# Allegro board KIT_PSE84_AI_PSOC_Edge_E84_AI_Board_Layout.brd
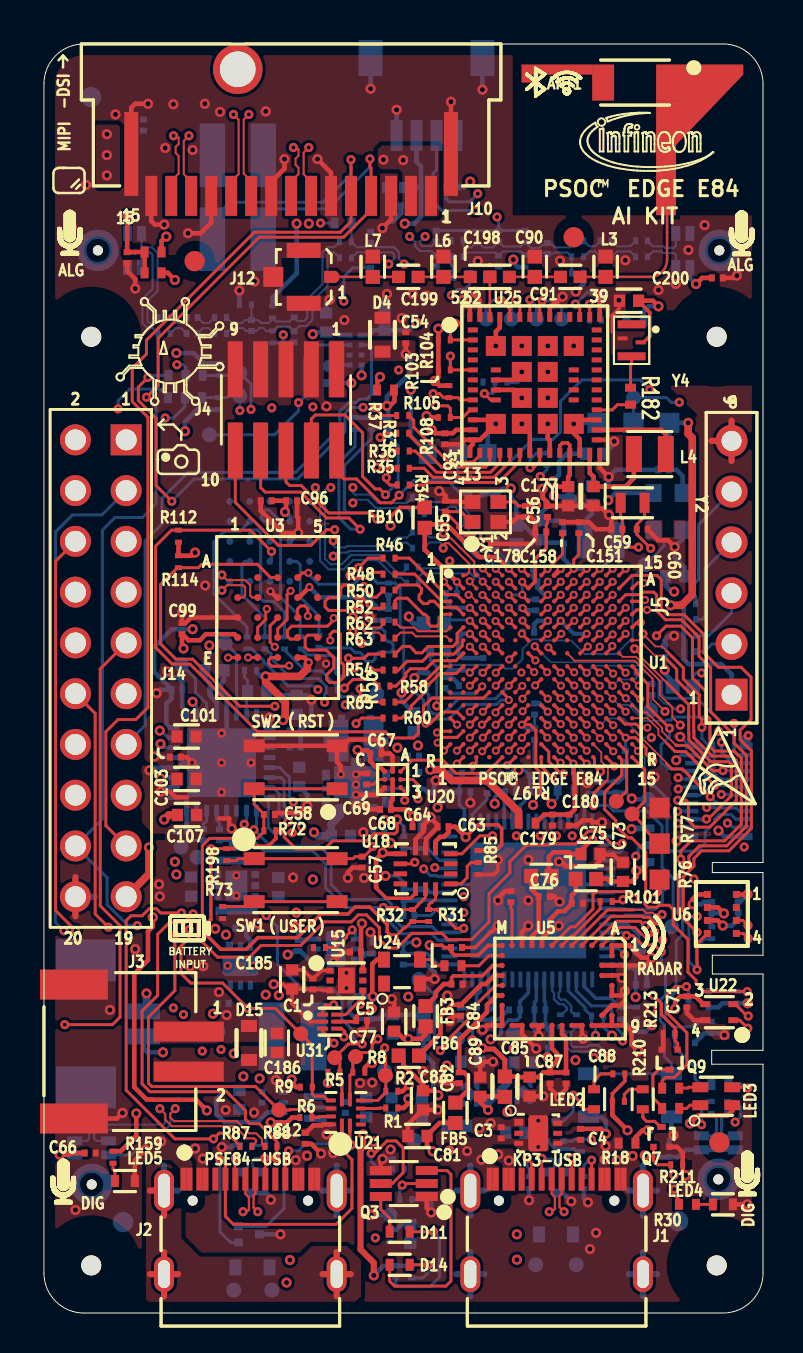
[diagram p0: board, top side]
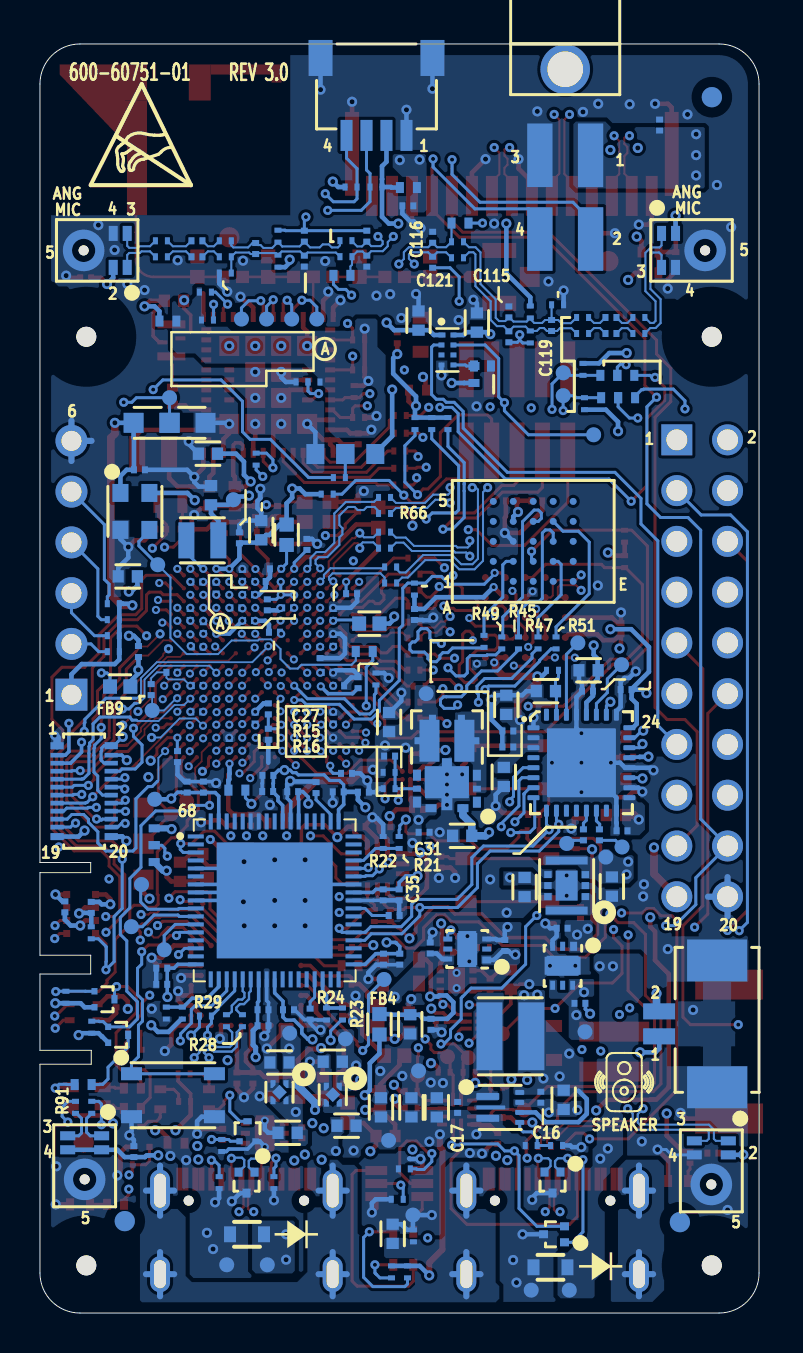
[diagram p1: board, bottom side, seen from below]

Outline 35.99 x 63.5 mm; copper layers: TOP, L02_GND, L03_SIG1, L04_SIG2, L05_PWR, BOTTOM. Coordinates in mm from the lower left corner of the outline.
Outline path: 0,61.5 arc(0.59,62.91) 2,63.5 33.99,63.5 arc(35.41,62.91) 35.99,61.5 35.99,22.54 33.45,22.54 33.45,22.03 35.99,22.03 35.99,17.9 33.45,17.9 33.45,16.96 35.99,16.96 35.99,13.14 33.43,13.14 33.43,12.45 35.99,12.45 35.99,2 arc(35.41,0.59) 33.99,0 2,0 arc(0.59,0.59) 0,2 0,61.5

## Design rules (mm)
constraint set DEFAULT: min track width 0.15
net group AMIC1_CTB_IN: nets AMIC1_CTB_INN AMIC1_CTB_INP
net group DP2: nets N17695662 N17695815
net group DP3: nets N17695725 N17695803
net group DP4: nets N17695749 N17695801
net group DP5: nets N17695747 N17695799
net group DP6: nets N17989965 N17989977
net group DP7: nets N17696044 N17696122
net group DP8: nets N17696068 N17696120
net group DP9: nets N17696066 N17696118
net group DP10: nets N17695981 N17696134
net group DP12: nets N17709188 N17709192
net group DP13: nets N17709220 N17709224
net group DP14: nets N17709256 N17709266
net group DSI_CLK: nets DSI_CLK_N DSI_CLK_P
net group DSI_DATA0: nets DSI_DATA0_N DSI_DATA0_P
net group DSI_DATA1: nets DSI_DATA1_N DSI_DATA1_P
net group KP_USB: nets N17581130 N17581131
net group P6_USB: nets PE84_USB_DM PE84_USB_DP
net group WL_SDIO_CMD: nets N17708163 WL_SDIO_CMD
net group WL_SDIO_DATA0: nets N17708293 WL_SDIO_DATA0
net group WL_SDIO_DATA1: nets N17708259 WL_SDIO_DATA1
net group WL_SDIO_DATA2: nets N17708201 WL_SDIO_DATA2
net group WL_SDIO_DATA3: nets N17708171 WL_SDIO_DATA3
net group I2S: nets I2S_TX_FSYNC I2S_TX_MCK I2S_TX_SCK I2S_TX_SD
net group POWER: nets AMIC_1V8 DISP_VDD_3V3 MCU_VDD_3V3 N17462113 N17691977 N17691999 N17694386 N17694402 N17699019 N17699478 N17701248 N17701356 N17701674 N17701786 N17713209 P5LP_VCCD P5LP_VDD PE84_VBUS PE84_VCCD PE84_VDDA USB_V_SENSE VBAT_IN VDD_5V VDDA_RADAR VDDD_RADAR VDDIO_RADIO VDDLF_RADAR VDDPLL_RADAR VDDRF_RADAR VDDVCO_RADAR VTARG_MEAS
net group RF: nets N17920449 N17920453 N17920674 N17920680 RF_OUT
net group SMIF0: nets N17708861 N17708893 N17708925 N17708957 N17709105
net group SMIF0_DATA: nets SMIF0_CLKP SMIF0_DATA0 SMIF0_DATA1 SMIF0_DATA2 SMIF0_DATA3
net group SMIF1: nets N17708863 N17708895 N17708927 N17708959 N17708991 N17709023 N17709055 N17709075 N17709107 N17709123 N17709155
net group SMIF1_DATA: nets SMIF1_CLKN SMIF1_CLKP SMIF1_DATA0 SMIF1_DATA1 SMIF1_DATA2 SMIF1_DATA3 SMIF1_DATA4 SMIF1_DATA5 SMIF1_DATA6 SMIF1_DATA7 SMIF1_RWDS

## Placement (name value [footprint] x y rotation side)
ANT1  2450AD18A6050  [ANTENNA_2450AD18A6050]  29.59 61.57 0 top
C1  0.1uF  [CAPC0603_0201N]  13.46 16.46 90 top
C3  0.1uF  [CAPC0603_0201N]  22.89 9.02 90 top
C4  0.1uF  [CAPC0603_0201N]  26.85 8.94 270 top
C5  0.1uF  [CAPC0603_0201N]  15.9 14.63 180 top
C6  0.1uF  [CAPC0603_0201N]  15.6 18.06 0 top
C7  0.1uF  [CAPC0603_0201N]  9.86 19.25 180 bottom
C8  0.1uF  [CAPC0603_0201N]  12.73 18.39 270 bottom
C9  0.1uF  [CAPC0603_0201N]  8.97 15.5 0 bottom
C11  0.1uF  [CAPC0603_0201N]  16.46 18.26 270 bottom
C12  0.1uF  [CAPC0603_0201N]  13.08 8.74 270 top
C13  10nF  [CAPC1005_0402N]  18.34 3.96 90 bottom
C14  22uF  [CAPC1005_0402N]  9.78 10.67 270 bottom
C16  0.1uF  [CAPC0603_0201N]  10.92 10.8 270 bottom
C17  0.1uF  [CAPC0603_0201N]  15.09 10.29 90 bottom
C21  10uF  [CAPC1005_0402N]  11.74 21.31 90 bottom
C27  330PF  [CAPC0603_0201N]  18.49 27.86 180 bottom
C28  22uF  [CAPC1005_0402N]  18.52 29.57 90 bottom
C30  10uF  [CAPC1005_0402N]  14.86 23.88 0 bottom
C31  1uF  [CAPC0603_0201N]  16.77 24.05 180 bottom
C35  1uF  [CAPC0603_0201N]  18.02 20.92 270 bottom
C36  0.1uF  [CAPC0603_0201N]  18.82 20.92 270 bottom
C37  1uF  [CAPC0603_0201N]  17.98 17.7 270 bottom
C38  0.1uF  [CAPC0603_0201N]  18.8 17.7 270 bottom
C39  1uF  [CAPC0603_0201N]  24.83 14.38 180 bottom
C40  0.1uF  [CAPC0603_0201N]  24.83 15.18 180 bottom
C41  1uF  [CAPC0603_0201N]  29.9 16.45 0 bottom
C42  0.1uF  [CAPC0603_0201N]  29.9 17.26 0 bottom
C43  1uF  [CAPC0603_0201N]  22.18 26.29 90 bottom
C44  1uF  [CAPC0603_0201N]  23.55 15.17 180 bottom
C45  0.1uF  [CAPC0603_0201N]  23.34 26.09 0 bottom
C46  1uF  [CAPC0603_0201N]  21.07 26.07 0 bottom
C47  0.1uF  [CAPC0603_0201N]  19.8 26.06 180 bottom
C48  1uF  [CAPC0603_0201N]  24.59 26.9 0 bottom
C49  0.1uF  [CAPC0603_0201N]  24.6 26.09 0 bottom
C50  1uF  [CAPC0603_0201N]  27.81 26.32 90 bottom
C51  0.1uF  [CAPC0603_0201N]  28.63 26.32 90 bottom
C52  1uF  [CAPC0603_0201N]  18.26 19.89 180 bottom
C53  1uF  [CAPC0603_0201N]  22.47 14.95 270 bottom
C54  1uF  [CAPC0603_0201N]  18.11 48.79 90 top
C55  10pF  [CAPC0603_0201N]  20.09 40.37 90 top
C56  10pF  [CAPC0603_0201N]  24.11 40.11 270 top
C57  0.1uF  [CAPC0603_0201N]  15.93 22.56 270 top
C58  0.1uF  [CAPC0603_0201N]  11.28 24.94 0 top
C59  22pF  [CAPC0603_0201N]  28.68 39.22 0 top
C60  22pF  [CAPC0603_0201N]  29.95 39.22 180 top
C61  0.1uF  [CAPC0603_0201N]  31.01 42.19 180 bottom
C62  0.1uF  [CAPC0603_0201N]  34.75 20.32 90 bottom
C63  0.1uF  [CAPC0603_0201N]  19.98 24.33 0 top
C64  0.1uF  [CAPC0603_0201N]  18.73 24.33 0 top
C65  0.1uF  [CAPC0603_0201N]  33.43 20.3 270 bottom
C66  0.1uF  [CAPC0603_0201N]  2.31 8 0 top
C67  0.1uF  [CAPC0603_0201N]  16.61 27.99 0 top
C68  0.1uF  [CAPC0603_0201N]  17.1 25.2 180 top
C69  2.2uF  [CAPC0603_0201N]  16.16 26.72 90 top
C70  0.1uF  [CAPC0603_0201N]  31.29 8.08 90 bottom
C71  0.1uF  [CAPC0603_0201N]  32.18 15.57 270 top
C72  0.47uF  [CAPC0603_0201N]  23.37 20.83 270 top
C73  10uF  [CAPC1005_0402N]  28.98 22.07 90 top
C74  1uF  [CAPC0603_0201N]  26.7 20.5 0 top
C75  10uF  [CAPC1005_0402N]  27.36 22.96 0 top
C76  1uF  [CAPC0603_0201N]  25.04 20.83 0 top
C77  10uF  [CAPC1005_0402N]  17.53 14.58 90 top
C78  1uF  [CAPC0603_0201N]  20.68 16.46 0 top
C79  10uF  [CAPC1005_0402N]  17.46 14.44 270 bottom
C80  1uF  [CAPC0603_0201N]  16.42 14.44 270 bottom
C81  10uF  [CAPC1005_0402N]  18.7 8.86 180 top
C82  1uF  [CAPC0603_0201N]  20.79 11.77 270 top
C83  10uF  [CAPC1005_0402N]  18.98 10.64 270 top
C84  1uF  [CAPC0603_0201N]  20.85 15.15 270 top
C85  10uF  [CAPC1005_0402N]  24.31 11.32 270 top
C86  1uF  [CAPC0603_0201N]  20.65 18.29 0 top
C87  1uF  [CAPC0603_0201N]  25.33 11.76 270 top
C88  1uF  [CAPC0603_0201N]  26.13 11.76 270 top
C89  10uF  [CAPC1005_0402N]  21.84 11.32 90 top
C90  8.2pF  [CAPC1005_0402M]  22.81 51.84 0 top
C91  2.7pF  [CAPC1005_0402M]  26.35 51.84 0 top
C92  4.7uF  [CAPC1005_0402N]  27.51 40.87 270 top
C93  0.1uF  [CAPC0603_0201N]  20.07 43.74 270 top
C94  4.7uF  [CAPC1005_0402N]  27.59 43 0 bottom
C95  4.7uF  [CAPC1005_0402N]  26.24 40.87 270 top
C96  1uF  [CAPC0603_0201N]  12.4 40.64 0 top
C97  0.1uF  [CAPC0603_0201N]  11.13 40.64 180 top
C98  1uF  [CAPC0603_0201N]  17.25 34.95 270 bottom
C99  0.1uF  [CAPC0603_0201N]  6.91 34.24 90 top
C100  0.033uF  [CAPC1005_0402N]  10.67 31.12 0 bottom
C101  22uF  [CAPC1005_0402N]  7.14 28.85 0 top
C102  0.1uF  [CAPC0603_0201N]  6.65 31.19 0 bottom
C103  22uF  [CAPC1005_0402N]  7.14 26.72 0 top
C104  0.1uF  [CAPC0603_0201N]  6.58 27.81 0 top
C105  0.47uF  [CAPC0603_0201N]  8.79 23.93 90 bottom
C106  0.47uF  [CAPC0603_0201N]  7.99 23.93 90 bottom
C107  10uF  [CAPC1005_0402N]  7.16 24.92 0 top
C108  0.1uF  [CAPC0603_0201N]  6.86 24.13 0 bottom
C109  10uF  [CAPC1005_0402N]  8.53 32.16 0 bottom
C110  0.1uF  [CAPC0603_0201N]  8.59 31.12 0 bottom
C111  10uF  [CAPC1005_0402N]  12.65 30.43 90 bottom
C112  0.1uF  [CAPC0603_0201N]  12.57 29.12 0 bottom
C113  10uF  [CAPC1005_0402N]  12.78 26.82 270 bottom
C114  0.1uF  [CAPC0603_0201N]  12.57 28.32 0 bottom
C115  10pF  [CAPC0603_0201N]  12.52 50.09 90 bottom
C116  12pF  [CAPC0603_0201N]  16.34 53.82 90 bottom
C117  0.1uF  [CAPC0603_0201N]  7.41 49.81 0 bottom
C118  0.1uF  [CAPC0603_0201N]  4.17 52.81 270 top
C119  390pF  [CAPC0603_0201N]  10.38 49.41 270 bottom
C120  0.1uF  [CAPC0603_0201N]  7.41 49.01 0 bottom
C121  12pF  [CAPC0603_0201N]  16.34 52.57 90 bottom
C122  10pF  [CAPC0603_0201N]  12.52 48.85 90 bottom
C123  10pF  [CAPC0603_0201N]  22.76 52.63 270 bottom
C124  12pF  [CAPC0603_0201N]  19.64 52.63 270 bottom
C125  0.1uF  [CAPC0603_0201N]  28.14 52.85 180 bottom
C126  0.1uF  [CAPC0603_0201N]  33.71 51.79 0 top
C127  390pF  [CAPC0603_0201N]  25.2 53.26 90 bottom
C128  0.1uF  [CAPC0603_0201N]  28.14 53.65 180 bottom
C129  12pF  [CAPC0603_0201N]  19.64 53.88 270 bottom
C130  10pF  [CAPC0603_0201N]  22.76 53.88 270 bottom
C136  1uF  [CAPC0603_0201N]  17.58 55.4 0 bottom
C137  1uF  [CAPC0603_0201N]  24.97 36.6 180 bottom
C138  0.1uF  [CAPC0603_0201N]  26.01 38.79 90 bottom
C139  10uF  [CAPC1005_0402N]  31.6 36.86 0 bottom
C140  0.1uF  [CAPC0603_0201N]  26.19 35.28 180 bottom
C141  0.1uF  [CAPC0603_0201N]  27.18 36.27 270 bottom
C142  0.1uF  [CAPC0603_0201N]  24.26 34.06 0 bottom
C143  0.1uF  [CAPC0603_0201N]  24.21 37.24 0 bottom
C144  0.1uF  [CAPC0603_0201N]  26.52 28.45 90 bottom
C145  0.1uF  [CAPC0603_0201N]  21.97 33.05 270 bottom
C146  0.1uF  [CAPC0603_0201N]  31.06 33.1 90 bottom
C147  1uF  [CAPC0603_0201N]  28.12 31.4 0 bottom
C148  1uF  [CAPC0603_0201N]  28.12 33.33 0 bottom
C149  0.1uF  [CAPC0603_0201N]  29.39 32.06 0 bottom
C150  4.7uF  [CAPC1005_0402N]  24.92 39.17 90 bottom
C151  0.1uF  [CAPC0603_0201N]  26.77 39.29 90 top
C152  4.7uF  [CAPC1005_0402N]  27.43 40.92 90 bottom
C153  1uF  [CAPC0603_0201N]  24.56 30.23 90 bottom
C154  0.1uF  [CAPC0603_0201N]  24.56 28.96 270 bottom
C155  1uF  [CAPC0603_0201N]  30.43 31.19 90 bottom
C156  1uF  [CAPC0603_0201N]  27.81 34.29 90 bottom
C157  1uF  [CAPC0603_0201N]  20.07 31.54 90 bottom
C158  1uF  [CAPC0603_0201N]  25.96 39.29 90 top
C159  1uF  [CAPC0603_0201N]  25.55 35.94 180 bottom
C160  1uF  [CAPC0603_0201N]  29.11 27.84 270 bottom
C161  1uF  [CAPC0603_0201N]  20.4 35.99 180 bottom
C162  1uF  [CAPC0603_0201N]  28.47 34.95 90 bottom
C163  1uF  [CAPC0603_0201N]  20.65 27 180 bottom
C164  1uF  [CAPC0603_0201N]  22.63 38.46 90 bottom
C165  0.1uF  [CAPC0603_0201N]  28.14 36.58 0 bottom
C166  0.1uF  [CAPC0603_0201N]  25.55 34.65 180 bottom
C167  0.1uF  [CAPC0603_0201N]  25.86 36.91 90 bottom
C168  0.1uF  [CAPC0603_0201N]  21.62 32.06 180 bottom
C169  0.1uF  [CAPC0603_0201N]  25.22 29.77 90 bottom
C170  0.1uF  [CAPC0603_0201N]  28.14 30.07 0 bottom
C171  1uF  [CAPC0603_0201N]  21.31 29.77 90 bottom
C172  1uF  [CAPC0603_0201N]  21.31 33.66 90 bottom
C173  1uF  [CAPC0603_0201N]  21.31 34.95 90 bottom
C174  1uF  [CAPC0603_0201N]  21.04 31.39 180 bottom
C175  0.1uF  [CAPC0603_0201N]  23.6 35.28 0 bottom
C176  0.1uF  [CAPC0603_0201N]  24.61 35.43 270 bottom
C177  1uF  [CAPC0603_0201N]  25.2 40.11 90 top
C178  1uF  [CAPC0603_0201N]  24.87 39.08 180 top
C179  1uF  [CAPC0603_0201N]  25.45 24.66 270 top
C180  0.1uF  [CAPC0603_0201N]  26.29 24.66 270 top
C182  22uF  [CAPC1005_0402N]  16.13 10.29 90 bottom
C183  22uF  [CAPC1005_0402N]  17.4 10.29 90 bottom
C184  22uF  [CAPC1005_0402N]  18.92 10.29 90 bottom
C185  22uF  [CAPC1005_0402N]  12.42 16.69 270 top
C186  22uF  [CAPC1005_0402N]  11.66 13.51 270 top
C189  1uF  [CAPC1005_0402N]  20.65 9.37 0 bottom
C191  1uF  [CAPC1005_0402N]  21.34 12.57 0 bottom
C194  1uF  [CAPC1005_0402N]  23.6 9.02 0 bottom
C196  1uF  [CAPC1005_0402N]  24 12.54 0 bottom
C197  10uF  [CAPC1005_0402N]  7.37 21.34 270 bottom
C198  8.2pF  [CAPC1005_0402M]  21.83 51.84 180 top
C199  8.2pF  [CAPC1005_0402M]  18.24 51.84 180 top
C200  1uF  [CAPC1005_0402N]  29.29 50.65 180 top
C203  1uF  [CAPC1005_0402N]  17.04 49.66 270 bottom
C204  1uF  [CAPC1005_0402N]  14.12 49.56 90 bottom
C205  1uF  [CAPC0603_0201N]  4.98 59.44 90 bottom
D1  T5V0S5A-7  [SODFL1608X77N]  25.63 3.94 180 bottom
D2  T5V0S5A-7  [SODFL1608X77N]  10.44 2.29 180 bottom
D4  ESD5V0D5-TP  [SODFL1608X77N]  16.94 48.95 270 top
D11  150040BS73220  [LEDC1005X35N_AMB_WURTH]  17.81 4.07 0 top
D14  150040RS73220  [LEDC1005X35N_AMB_WURTH]  17.81 2.41 0 top
D15  T5V0S5A-7  [SODFL1608X77N]  10.26 13.51 90 top
FB1  600 OHM  [INDC1005_0402M]  27.13 21.72 180 top
FB2  600 OHM  [INDC1005_0402M]  24.9 21.87 180 top
FB3  600 OHM  [INDC1005_0402M]  19.11 14.85 90 top
FB4  600 OHM  [INDC1005_0402M]  19 14.44 90 bottom
FB5  600 OHM  [INDC1005_0402M]  20.59 10.02 90 top
FB6  600 OHM  [INDC1005_0402M]  18.26 12.88 0 top
FB7  600 OHM  [INDC1005_0402M]  23.07 11.33 90 top
FB8  120 OHM  [INDC1005_0402M]  23.65 38.94 270 bottom
FB9  120 OHM  [INDC1005_0402M]  31.98 31.34 180 bottom
FB10  120 OHM  [INDC1005_0402M]  19.06 39.8 90 top
FB11  120 OHM  [INDC1005_0402M]  19.51 34.49 180 bottom
J1  629722000214  [GCT_USB4105-GF-A]  25.66 3.02 0 top
J2  629722000214  [GCT_USB4105-GF-A]  10.33 3.02 0 top
J3  620102131822  [JST_S2B-PH-SM4-TB-LF-SN]  3.8 13.08 90 top
J4  HDR 5x2  [SAMT_FTSH-105-XX-X-DV-K]  12.12 45.19 180 top
J5  PRPC006SFAN-RC  [SULLINS_PRPC006SFAN-RC]  34.42 30.94 90 top
J7  665104131822  [JST_SM04B-SRSS-TB]  19.15 61.37 0 bottom
J8  0532610271  [MOLEX_532610271]  5 13.84 270 bottom
J10  SFW15R-2STAE1LF  [AMPHENOL_SFW15R-2STAE1LF]  12.37 60.05 180 top
J12  A-1JB  [AMP_A-1JB_ALT1]  13 51.84 90 top
J14  CON 10x2  [RTST254P2X10_W515]  4.12 43.69 270 top
J16  TSM-102-01-L-DH-A-P-TR  [SAMTEC_TSM-102-01-L-DH-A-P-TR]  9.7 62.23 0 bottom
J17  DF40C-20DP-0.4V(51)  [HIROSE_DF40C-20DP-0P4V]  33.78 26.11 270 bottom
L1  1uH  [IND_74438336010]  12.45 13.84 0 bottom
L2  3nH  [INDC1005_0402M]  24.57 52.35 270 top
L3  3.6nH  [INDC1005_0402M]  28.11 52.35 270 top
L4  2.2uH  [IND_74479276222C]  30.33 42.98 0 top
L5  2.2uH  [IND_74479276222C]  27.87 38.66 180 bottom
L6  3nH  [INDC1005_0402M]  20 52.35 270 top
L7  3nH  [INDC1005_0402M]  16.46 52.35 270 top
LED1  150040GS73220  [LEDC1005X35N_AMB_WURTH]  29.97 10.69 90 top
LED2  150040BS73220  [LEDC1005X35N_AMB_WURTH]  27.53 10.69 90 top
LED3  150066M153000  [LED_150066M153000]  33.66 10.85 0 top
LED4  150040AS73220  [LEDC1005X35N_AMB_WURTH]  33.99 5.44 180 top
LED5  150040AS73220  [LEDC1005X35N_AMB_WURTH]  4.05 6.61 180 top
NOREF  -  []  8.43 53.74 90 top
NOREF#2  -  []  21.47 49.19 0 top
NOREF#3  -  []  11.91 11.34 0 top
NOREF#4  -  []  8.69 20.84 0 top
NOREF#5  -  []  9.84 12.86 90 top
NOREF#6  -  []  15.31 9.38 90 top
NOREF#7  -  []  22.87 61.9 0 top
NOREF#8  -  []  20.92 42.49 0 top
NOREF#9  -  []  30.32 39.38 90 top
NOREF#10  -  []  3.24 7.91 90 top
NOREF#11  -  []  23.72 9.92 0 top
NOREF#12  -  []  30.69 12.25 0 top
NOREF#13  -  []  26.77 37.76 90 top
NOREF#14  -  []  26 8.59 90 top
NOREF#15  -  []  18.92 16.28 90 top
NOREF#16  -  []  5.98 17.44 90 top
NOREF#17  -  []  10.24 2.71 0 top
NOREF#18  -  [unnamed#2]  26.52 53.82 0 top
NOREF#19  -  []  54.13 -4.27 0 top
NOREF#20  -  []  5 15.09 90 top
NOREF#21  -  []  13.58 17.29 0 top
NOREF#22  -  []  11.98 9.54 0 top
NOREF#23  -  []  16.92 17.88 0 top
NOREF#24  -  []  24.98 8.67 90 top
NOREF#25  -  []  3.55 6.35 90 top
NOREF#26  -  []  10.57 20.84 90 top
NOREF#27  -  []  6.97 60.96 90 top
NOREF#28  -  []  9.63 20.14 90 top
NOREF#29  -  []  34.61 8.17 90 top
NOREF#30  -  []  17.05 26.7 90 top
NOREF#31  -  []  21.47 43.69 90 top
NOREF#32  -  []  14.8 -0.66 90 top
NOREF#33  -  []  31.32 12.18 90 top
NOREF#34  -  []  0 17.03 0 top
NOREF#35  -  [unnamed#3]  33.68 48.85 0 top
NOREF#36  -  []  32.85 10.4 0 top
NOREF#37  -  []  33.21 19.64 90 top
NOREF#38  -  []  35.17 51.63 90 top
NOREF#39  -  []  14.36 9.43 90 top
NOREF#40  -  []  29.53 42.98 0 top
NOREF#41  -  []  17.02 16.48 90 top
NOREF#42  -  []  2.1 11.29 90 top
NOREF#43  -  []  0 2.61 0 top
NOREF#44  -  []  25.2 8.59 0 top
NOREF#45  -  []  27.28 9.19 0 top
NOREF#46  -  []  28.22 42.49 90 top
NOREF#47  -  []  44 40.64 0 top
NOREF#48  -  []  21.32 43.04 90 top
NOREF#49  -  []  32.34 15.07 0 top
NOREF#50  -  []  30.72 10.19 90 top
NOREF#51  -  []  24.78 3.94 0 top
NOREF#52  -  []  3.01 59.5 90 top
NOREF#53  -  []  17.65 58.92 0 top
NOREF#54  -  []  31.54 8.39 90 top
NOREF#55  -  []  16.04 17.39 0 top
NOREF#56  -  []  16.15 63.5 0 top
NOREF#57  -  []  14.32 16.14 90 top
NOREF#58  -  []  1.17 19.14 90 top
NOREF#59  -  []  17.31 2.66 0 top
NOREF#60  -  []  2.47 65 90 top
NOREF#61  -  []  14.01 9.24 90 top
NOREF#62  -  []  32.21 13.52 0 top
NOREF#63  -  []  24.82 49.84 0 top
NOREF#64  -  []  123.72 85.74 0 top
NOREF#65  -  []  31.25 10.05 90 top
NOREF#66  -  []  23.92 44.49 0 top
NOREF#67  -  []  51.23 29.52 90 top
NOREF#68  -  []  47.79 23.44 0 top
NOREF#69  -  []  30.51 8.31 0 top
NOREF#70  -  []  32.93 18.72 0 top
NOREF#71  -  []  14.8 -0.66 90 top
NOREF#72  -  []  10.33 16.4 90 top
NOREF#73  -  []  16.31 3.31 90 top
NOREF#74  -  []  15.63 17.29 90 top
NOREF#75  -  []  6.01 1.94 0 top
NOREF#76  -  []  32.76 23.25 0 top
NOREF#77  -  []  11.98 10.54 90 top
NOREF#78  -  []  14.36 10.63 0 top
NOREF#79  -  []  14.07 25.21 0 top
NOREF#80  -  []  25.77 8.07 90 top
NOREF#81  -  []  32.85 10.4 90 top
NOREF#82  -  []  30.92 13.18 0 top
NOREF#83  -  []  23.77 8.49 0 top
NOREF#84  -  []  7.65 15.44 90 top
NOREF#85  -  []  1.34 51.63 90 top
NOREF#86  -  []  17.6 20.98 90 top
NOREF#87  -  [unnamed#3]  2.37 2.38 0 top
NOREF#88  -  []  5.86 6.69 0 top
NOREF#89  -  []  21.32 49.84 0 top
NOREF#90  -  []  21.34 1.94 0 top
NOREF#91  -  []  30.69 12.25 90 top
NOREF#92  -  []  0.84 9.16 90 top
NOREF#93  -  []  17.84 21.48 0 top
NOREF#94  -  [unnamed#3]  33.68 2.38 0 top
NOREF#95  -  []  3.07 57.9 90 top
NOREF#96  -  []  4.37 58 0 top
NOREF#97  -  []  29.23 43.88 0 top
NOREF#98  -  []  35.69 32.06 0 top
NOREF#99  -  []  16.94 48.1 90 top
NOREF#100  -  []  30.13 -0.66 90 top
NOREF#101  -  []  18.31 2.16 90 top
NOREF#102  -  []  9.84 12.86 0 top
NOREF#103  -  []  31.29 60.67 90 top
NOREF#104  -  []  2.25 19.08 0 top
NOREF#105  -  []  22.87 61.9 90 top
NOREF#106  -  []  1.54 8.61 0 top
NOREF#107  -  []  14.29 9.21 90 top
NOREF#108  -  []  5.37 55.9 0 top
NOREF#109  -  []  14.29 10.86 0 top
NOREF#110  -  []  1.5 9.73 90 top
NOREF#111  -  []  8.58 6.7 0 top
NOREF#112  -  []  33.06 14.3 0 top
NOREF#113  -  []  30.13 -0.66 90 top
NOREF#114  -  []  23.91 6.7 0 top
NOREF#115  -  []  4.3 0 90 top
NOREF#116  -  []  30.22 11.19 0 top
NOREF#117  -  [unnamed#2]  33.81 8.54 0 top
NOREF#118  -  []  -17.33 65 0 top
NOREF#119  -  []  17.65 58.92 0 top
NOREF#120  -  []  16.35 62.8 0 top
NOREF#121  -  []  30.32 39.38 0 top
NOREF#122  -  []  27.07 38.66 0 top
NOREF#123  -  []  30.29 9.24 0 top
NOREF#124  -  []  0 9.13 90 top
NOREF#125  -  []  14.36 9.43 0 top
NOREF#126  -  []  17.02 16.48 0 top
NOREF#127  -  []  16.31 3.31 0 top
NOREF#128  -  []  0 11.04 0 top
NOREF#129  -  []  15.53 26.06 90 top
NOREF#130  -  []  10.97 57.93 90 top
NOREF#131  -  []  32.34 15.07 90 top
NOREF#132  -  []  7.25 12.08 90 top
NOREF#133  -  [unnamed#3]  2.37 48.85 0 top
NOREF#134  -  []  5 13.84 90 top
NOREF#135  -  []  22.15 59.25 90 top
NOREF#136  -  []  34.93 18.72 90 top
NOREF#137  -  []  13.63 18.71 0 top
NOREF#138  -  []  11.09 2.71 90 top
NOREF#139  -  []  11.4 13.84 0 top
NOREF#140  -  []  31.25 11.65 0 top
NOREF#141  -  []  6.01 1.94 90 top
NOREF#142  -  []  27.43 18.39 0 top
NOREF#143  -  []  33.76 6.69 90 top
NOREF#144  -  []  22.93 16.39 90 top
NOREF#145  -  []  33.11 15.45 0 top
NOREF#146  -  []  17.37 49.6 0 top
NOREF#147  -  []  31.58 13.92 90 top
NOREF#148  -  []  15.53 26.06 0 top
NOREF#149  -  []  7.65 18.64 0 top
NOREF#150  -  []  32.79 41.41 90 top
NOREF#151  -  []  23.77 8.99 90 top
NOREF#152  -  []  35.14 27.11 90 top
NOREF#153  -  []  29.1 13.72 90 top
NOREF#154  -  []  8.43 53.74 0 top
NOREF#155  -  []  35.14 23.84 90 top
NOREF#156  -  []  14.36 9.83 90 top
NOREF#157  -  []  9.08 6.7 0 top
NOREF#158  -  []  18.6 21.21 0 top
NOREF#159  -  []  13.63 17.66 90 top
NOREF#160  -  []  21.34 1.94 90 top
NOREF#161  -  []  1.34 54.71 0 top
NOREF#162  -  []  33.06 14.3 90 top
NOREF#163  -  []  31.66 13.3 0 top
NOREF#164  -  []  32.21 9.42 90 top
NOREF#165  -  []  34.49 4.69 0 top
NOREF#166  -  []  17.6 20.98 0 top
NOREF#167  -  []  14.91 10.68 0 top
NOREF#168  -  []  17.17 25.21 90 top
NOREF#169  -  []  65.69 270.95 0 top
NOREF#170  -  []  34.42 38.56 90 top
NOREF#171  -  []  32.76 23.25 90 top
NOREF#172  -  []  32.58 13.52 90 top
NOREF#173  -  []  22.6 13.72 0 top
NOREF#174  -  []  8.91 16.35 90 top
NOREF#175  -  []  17.37 55.9 0 top
NOREF#176  -  []  17.65 58.92 90 top
NOREF#177  -  []  9.59 2.29 0 top
NOREF#178  -  []  8.91 16.35 0 top
NOREF#179  -  []  3.55 6.35 0 top
NOREF#180  -  []  21.47 47.69 90 top
NOREF#181  -  []  34.99 4.69 90 top
NOREF#182  -  []  26.77 39.56 0 top
NOREF#183  -  []  9.28 18.35 0 top
NOREF#184  -  []  17.37 49.6 90 top
NOREF#185  -  []  -19.85 -36.06 0 top
NOREF#186  -  []  10.68 20.09 90 top
NOREF#187  -  []  34.51 14.65 90 top
NOREF#188  -  []  33.21 20.94 0 top
NOREF#189  -  []  2.39 6.43 90 top
NOREF#190  -  []  27.99 61.57 0 top
NOREF#191  -  []  24.98 9.52 0 top
NOREF#192  -  []  1.5 9.73 90 top
NOREF#193  -  []  33.27 15.3 90 top
NOREF#194  -  []  0.84 13.26 0 top
NOREF#195  -  []  11.98 9.54 0 top
NOREF#196  -  []  30.19 41.41 0 top
NOREF#197  -  []  31.09 51.63 0 top
NOREF#198  -  []  32.91 8.87 0 top
NOREF#199  -  []  31.66 13.3 90 top
NOREF#200  -  []  14.32 16.14 0 top
NOREF#201  -  []  16.04 15.89 90 top
NOREF#202  -  []  4.2 11.04 90 top
NOREF#203  -  []  24.41 6.7 0 top
NOREF#204  -  []  26.28 4.36 90 top
NOREF#205  -  []  8.58 22.69 0 top
NOREF#206  -  [unnamed#2]  7.54 52.63 0 top
NOREF#207  -  []  17.45 27.1 0 top
NOREF#208  -  []  -15.71 57.9 90 top
NOREF#209  -  []  21.19 6.69 0 top
NOREF#210  -  []  31.43 42.08 90 top
NOREF#211  -  []  32.27 15.7 90 top
NOREF#212  -  []  27.89 62.47 0 top
NOREF#213  -  []  27.28 9.19 90 top
NOREF#214  -  []  25.43 4.36 0 top
NOREF#215  -  []  13.43 10.29 90 top
NOREF#216  -  []  30.51 8.31 90 top
NOREF#217  -  []  6.97 63.5 90 top
NOREF#218  -  []  10.26 12.66 90 top
NOREF#219  -  [unnamed#2]  2.36 60.83 180 bottom
NOREF#220  -  [unnamed#2]  3.96 4.55 180 bottom
NOREF#221  -  [unnamed#2]  31.75 4.6 180 bottom
Q3  BSD840NH6327XTSA1  [SOT65P210X100-6M]  18.01 6.48 180 top
Q7  XP222N03017R-G  [SOTFL40P120X50-3N_MOSFET_TOREX]  30.91 8.81 0 top
Q8  XP222N03017R-G  [SOTFL40P120X50-3N_MOSFET_TOREX]  25.6 9.09 180 bottom
Q9  XP222N03017R-G  [SOTFL40P120X50-3N_MOSFET_TOREX]  31.32 12.68 180 top
Q10  XP222N03017R-G  [SOTFL40P120X50-3N_MOSFET_TOREX]  32.77 15.7 270 bottom
Q11  XP222N03017R-G  [SOTFL40P120X50-3N_MOSFET_TOREX]  32.08 13.92 270 bottom
R1  887K  [RESC0603_0201N]  17.41 10.26 0 top
R2  100K  [RESC0603_0201N]  17.41 11.09 180 top
R3  5.1K  [RESC0603_0201N]  27.03 6.52 270 bottom
R4  5.1K  [RESC0603_0201N]  24.28 6.52 270 bottom
R5  100K  [RESC0603_0201N]  14.51 12.05 180 top
R6  100K  [RESC0603_0201N]  13.11 9.78 0 top
R7  100K  [RESC0603_0201N]  17.3 3.86 90 bottom
R8  100K  [RESC0603_0201N]  15.76 12.05 0 top
R9  100K  [RESC0603_0201N]  13.13 11.3 0 top
R10  348K  [RESC0603_0201N]  11.41 8.38 180 bottom
R11  47K  [RESC0603_0201N]  10.14 8.38 180 bottom
R15  47K  [RESC0603_0201N]  18.52 27.05 180 bottom
R16  15K  [RESC0603_0201N]  18.52 26.23 0 bottom
R18  0 OHM  [RESC1005_0402N]  29.18 8.5 180 top
R21  49.9K  [RESC0603_0201N]  18.01 23.55 270 bottom
R22  49.9K  [RESC0603_0201N]  18.81 23.55 270 bottom